# Altium PCB PCB_15122020_01BC.PcbDoc (part 8 of 9)
Units mm, origin at the board's own origin, x right, y up, seen from the top; angles counter-clockwise.
Board outline 207.9 x 131.1 mm, 4 copper layers (Top Layer, Layer 1, Layer 2, Bottom Layer), stack 1.57 mm thick; 684 components, 706 nets, 2796 pads, 1697 vias.
Unrouted connection lines stored in the file: 3.
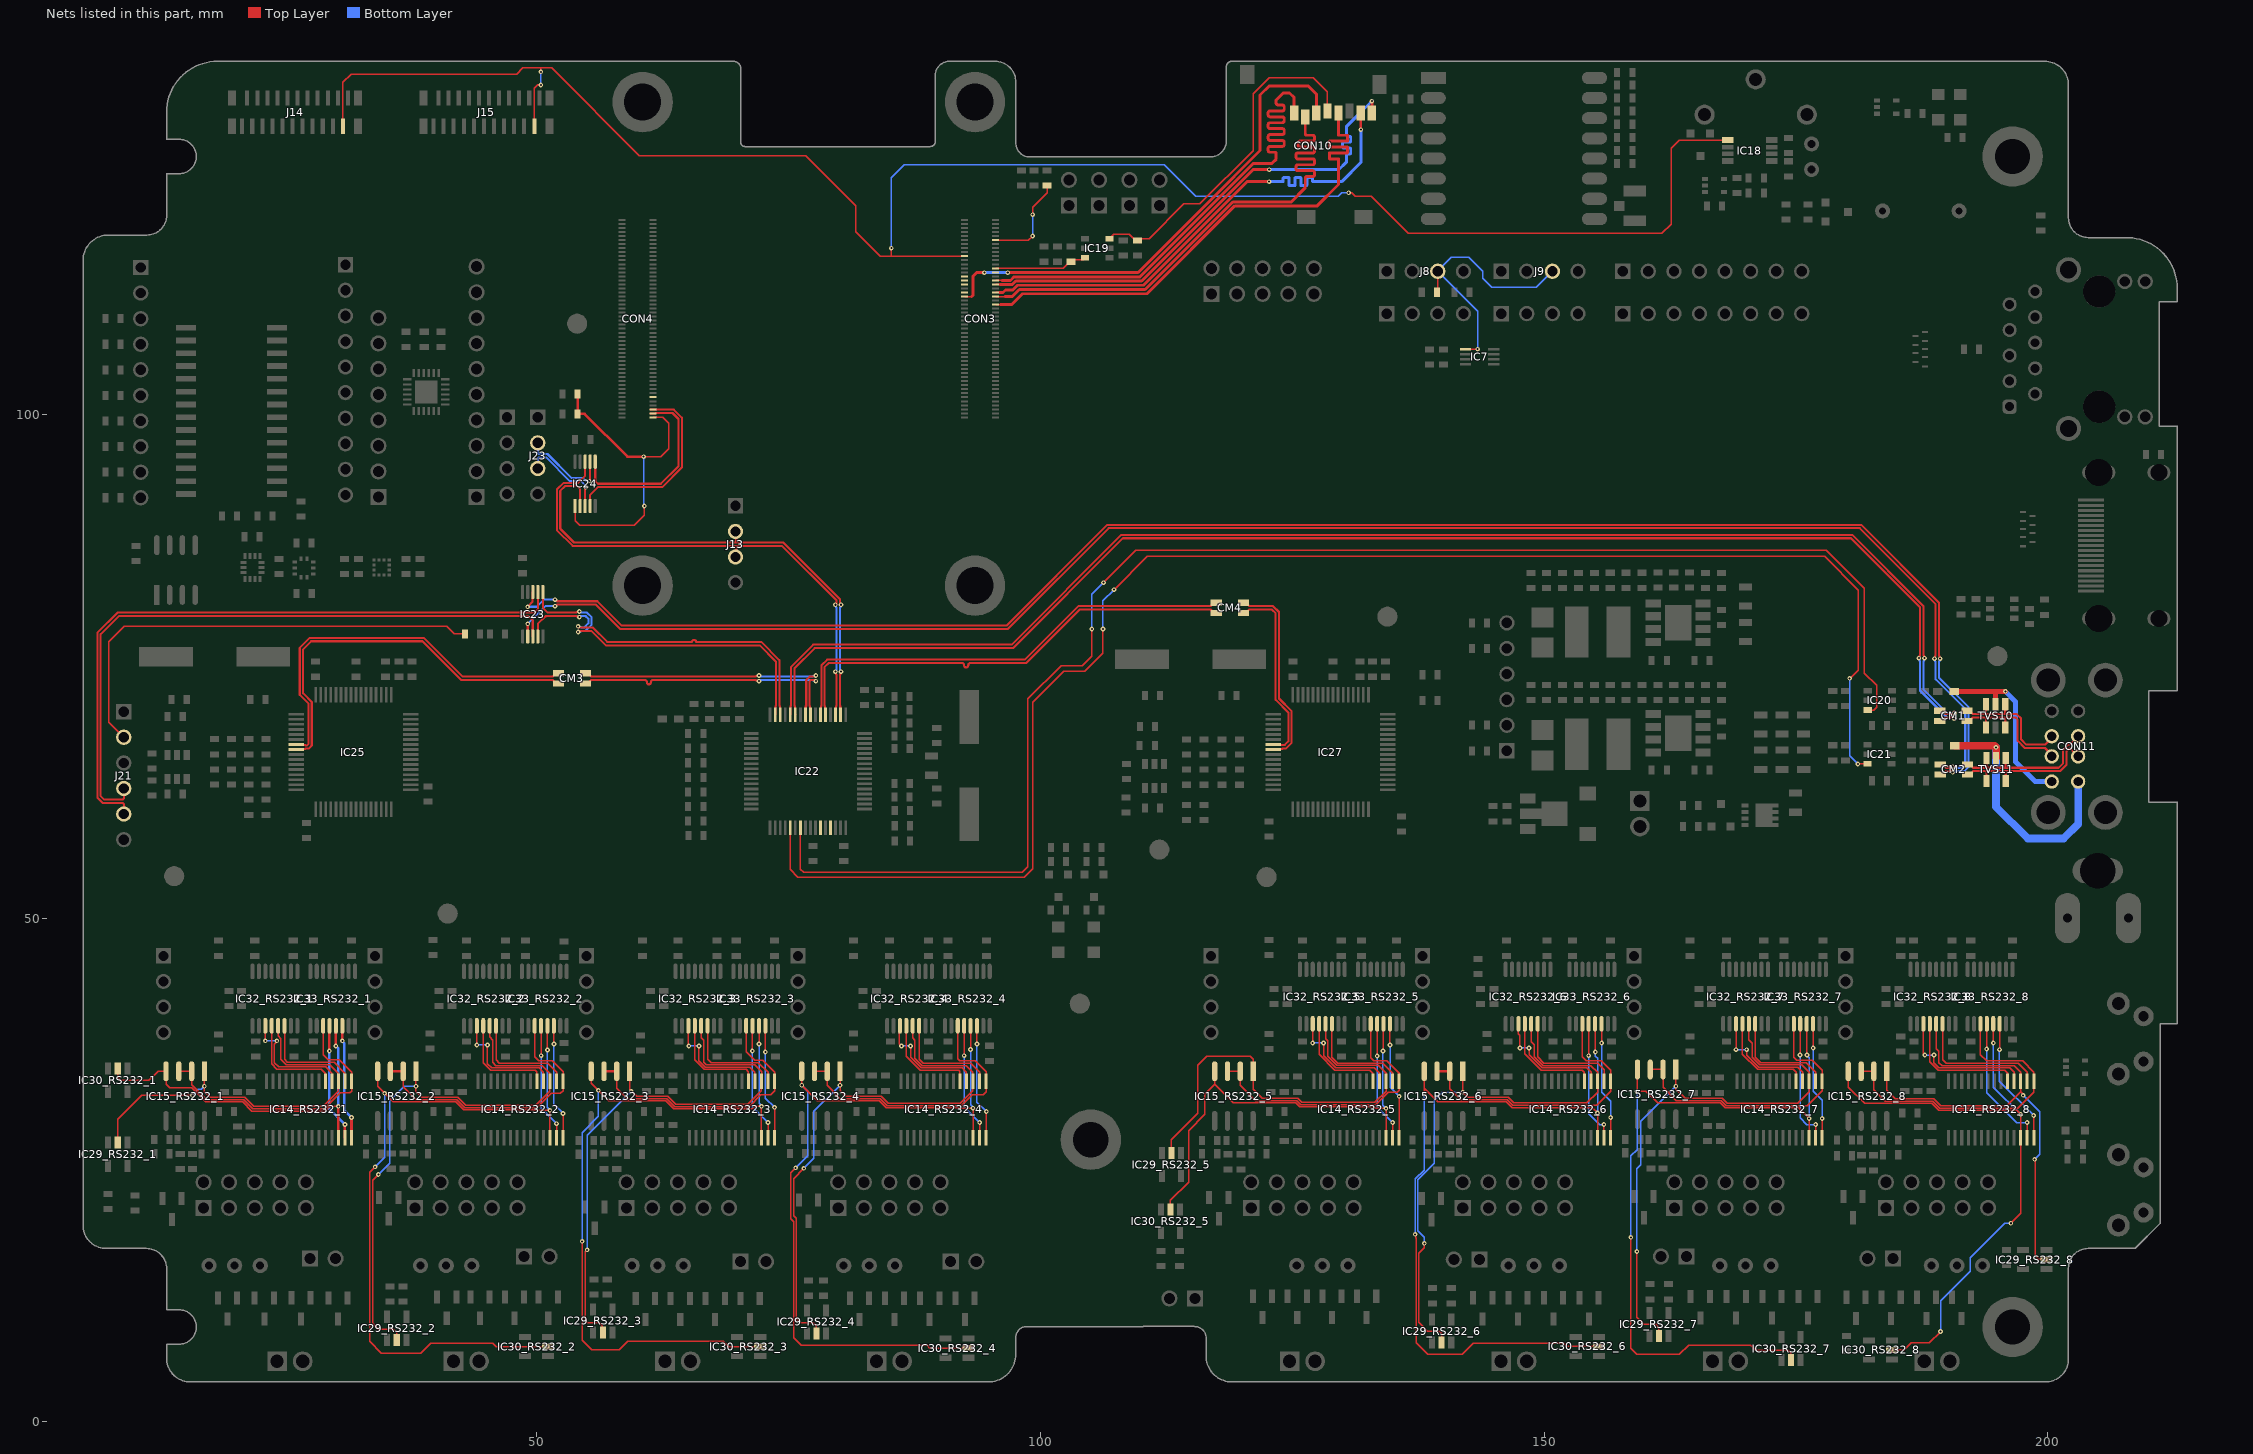
[diagram p10: the nets of this part, all layers, seen from the top]

## Via types
v1: diameter 0.46, hole 0.2, Top Layer to Bottom Layer, tented both sides, 1697 vias

## Nets (pads, with @x,y where several pads share a name; then routed paths per layer and width w, separated by ;. In a path a pad name is that pad's centre, name@x,y a point inside that pad or via, vN(x,y) a via of type N, cw(c..) or ccw(c..) an arc to the next point about the centre after c; other vN are vias at no path point) (continued)
SD_CLK: CON3.57 CON10.5 | length 53.1
  Top Layer w0.127: CON3.57@95.54,110.9 96.025,110.9
  Top Layer w0.293: 96.025,110.9 97.15,110.9 98.225,111.975 110.57,111.975 119.295,120.7 127.475,120.7 129.585,122.81 129.585,124.9 129.585,125.334 ccw(c129.556,125.334) 129.556,125.363 128.714,125.363 cw(c128.714,125.392) 128.685,125.392 128.685,125.92 cw(c128.714,125.92) 128.714,125.949 129.585,125.949 130.456,125.949 ccw(c130.456,125.978) 130.485,125.978 130.485,126.506 ccw(c130.456,126.506) 130.456,126.535 129.585,126.535 128.714,126.535 cw(c128.714,126.564) 128.685,126.564 128.685,127.092 cw(c128.714,127.092) 128.714,127.121 129.585,127.121 130.456,127.121 ccw(c130.456,127.15) 130.485,127.15 130.485,127.678 ccw(c130.456,127.678) 130.456,127.707 129.614,127.707 cw(c129.614,127.736) 129.585,127.736 129.585,128 CON10.5@129.585,129.904
SD_CMD: CON3.62 CON10.3 | length 50.1
  Top Layer w0.127: CON3.62@92.46,111.7 93.173,111.7
  Top Layer w0.293: 93.173,111.7 93.285,111.812 93.285,113.685 93.675,114.075 v1(94.425,114.075) ; v1(96.75,114.075) 109.7,114.075 116.7,121.075 116.7,121.082 121.8,126.182 121.8,131.7 122.7,132.6 126.585,132.6 127.385,131.8 CON10.3@127.385,129.904
  Bottom Layer w0.293: v1(94.425,114.075) v1(96.75,114.075)
SD_DAT0: CON3.63 CON10.7 | length 50.2
  Top Layer w0.127: CON3.63@95.54,112.1 95.925,112.1
  Top Layer w0.293: 95.925,112.1 96.281,112.1 96.523,112.342 97.254,112.342 97.728,112.815 110.222,112.815 120.507,123.1 v1(122.7,123.1) ; CON10.7@131.785,129.904 131.794,129.895 131.794,128.271 v1(131.803,128.262)
  Bottom Layer w0.293: v1(122.7,123.1) 123.8,123.1 124.034,123.1 ccw(c124.034,123.159) 124.093,123.159 124.093,123.441 cw(c124.152,123.441) 124.152,123.5 124.62,123.5 cw(c124.62,123.441) 124.679,123.441 124.679,123.1 124.679,122.759 ccw(c124.738,122.759) 124.738,122.7 125.206,122.7 ccw(c125.206,122.759) 125.265,122.759 125.265,123.1 125.265,123.441 cw(c125.324,123.441) 125.324,123.5 125.792,123.5 cw(c125.792,123.441) 125.851,123.441 125.851,123.1 125.851,122.759 ccw(c125.91,122.759) 125.91,122.7 126.378,122.7 ccw(c126.378,122.759) 126.437,122.759 126.437,123.1 126.437,123.441 cw(c126.496,123.441) 126.496,123.5 126.964,123.5 cw(c126.964,123.441) 127.023,123.441 127.023,123.159 ccw(c127.082,123.159) 127.082,123.1 127.5,123.1 129.9,123.1 131.803,125.003 v1(131.803,128.262)
SD_DAT1: CON3.67 CON10.8 | length 50.2
  Top Layer w0.127: CON3.67@95.54,112.9 96.001,112.9
  Top Layer w0.293: 96.001,112.9 96.006,112.9 96.026,112.88 97.199,112.88 97.554,113.235 110.048,113.235 121.113,124.3 v1(122.71,124.3) ; CON10.8@132.885,129.904 132.893,129.911 132.893,131.093 v1(132.9,131.1)
  Bottom Layer w0.293: v1(122.71,124.3) 129.625,124.3 130.3,124.975 130.4,125.075 130.4,125.263 130.4,125.732 cw(c130.517,125.732) 130.517,125.849 130.683,125.849 ccw(c130.683,125.966) 130.8,125.966 130.8,126.318 ccw(c130.683,126.318) 130.683,126.435 130.4,126.435 130.117,126.435 cw(c130.117,126.552) 130,126.552 130,126.904 cw(c130.117,126.904) 130.117,127.021 130.4,127.021 130.683,127.021 ccw(c130.683,127.138) 130.8,127.138 130.8,127.49 ccw(c130.683,127.49) 130.683,127.607 130.517,127.607 cw(c130.517,127.724) 130.4,127.724 130.4,127.9 130.4,128.6 v1(132.9,131.1)
SD_DAT2: CON3.69 CON10.1 | length 53.8
  Top Layer w0.127: CON3.69@95.54,113.3 96.2,113.3
  Top Layer w0.293: 96.2,113.3 97.025,113.3 97.38,113.655 109.874,113.655 117.12,120.901 117.12,120.909 121.111,124.9 122.964,124.9 123.4,125.336 123.4,125.9 ccw(c123.281,125.9) 123.281,126.019 122.805,126.019 cw(c122.805,126.224) 122.6,126.224 122.6,126.4 cw(c122.805,126.4) 122.805,126.605 123.4,126.605 123.995,126.605 ccw(c123.995,126.81) 124.2,126.81 124.2,126.986 ccw(c123.995,126.986) 123.995,127.191 123.4,127.191 122.805,127.191 cw(c122.805,127.396) 122.6,127.396 122.6,127.572 cw(c122.805,127.572) 122.805,127.777 123.4,127.777 123.995,127.777 ccw(c123.995,127.982) 124.2,127.982 124.2,128.158 ccw(c123.995,128.158) 123.995,128.363 123.4,128.363 122.805,128.363 cw(c122.805,128.568) 122.6,128.568 122.6,128.744 cw(c122.805,128.744) 122.805,128.949 123.4,128.949 123.995,128.949 ccw(c123.995,129.154) 124.2,129.154 124.2,129.33 ccw(c123.995,129.33) 123.995,129.535 123.4,129.535 122.805,129.535 cw(c122.805,129.74) 122.6,129.74 122.6,129.916 cw(c122.805,129.916) 122.805,130.121 123.4,130.121 123.995,130.121 ccw(c123.995,130.326) 124.2,130.326 124.2,130.502 ccw(c123.995,130.502) 123.995,130.707 123.605,130.707 cw(c123.605,130.912) 123.4,130.912 123.4,131 123.4,131.2 124.1,131.9 124.73,131.9 125.185,131.445 CON10.1@125.185,129.904
SD_DAT3: CON3.61 CON10.2 | length 53.4
  Top Layer w0.127: CON3.61@95.54,111.7 96.475,111.7
  Top Layer w0.293: 96.475,111.7 97.207,111.7 97.902,112.395 110.396,112.395 119.095,121.095 124.895,121.095 126.285,122.485 126.285,123.3 126.285,123.459 cw(c126.431,123.459) 126.431,123.605 127.038,123.605 ccw(c127.038,123.752) 127.185,123.752 127.185,124.045 ccw(c127.038,124.045) 127.038,124.191 126.285,124.191 125.531,124.191 cw(c125.531,124.338) 125.385,124.338 125.385,124.631 cw(c125.531,124.631) 125.531,124.777 126.285,124.777 127.038,124.777 ccw(c127.038,124.924) 127.185,124.924 127.185,125.217 ccw(c127.038,125.217) 127.038,125.363 126.285,125.363 125.531,125.363 cw(c125.531,125.51) 125.385,125.51 125.385,125.803 cw(c125.531,125.803) 125.531,125.949 126.285,125.949 127.038,125.949 ccw(c127.038,126.096) 127.185,126.096 127.185,126.389 ccw(c127.038,126.389) 127.038,126.535 126.285,126.535 125.726,126.535 cw(c125.726,126.682) 125.579,126.682 125.579,126.975 cw(c125.726,126.975) 125.726,127.121 126.285,127.121 127.038,127.121 ccw(c127.038,127.268) 127.185,127.268 127.185,127.561 ccw(c127.038,127.561) 127.038,127.707 126.431,127.707 cw(c126.431,127.854) 126.285,127.854 126.285,128 CON10.2@126.285,129.504
SD_DAT4: CON3.68
SD_DAT5: CON3.64
SD_DAT6: CON3.72
SD_DAT7: CON3.70
SD_PWR: C36.1 CON10.4 IC19.6 | length 34.9
  Top Layer w0.127: IC19.6@106.838,117.449 107.289,117.9 108.814,117.9 109.264,117.449 C36.1@109.6,117.449 ; C36.1@109.85,117.014 C36.1@109.613,117.25 109.613,117.436 C36.1@109.6,117.449 ; CON10.4@128.485,130.104 128.485,132.015 127.1,133.4 122.7,133.4 121.115,131.815 121.115,126.187 115.817,120.889 114.212,120.889 110.773,117.449 C36.1@109.6,117.449
SD_PWR_ON: CON3.75 IC19.3 R79.1 | length 9.3
  Top Layer w0.127: CON3.75@95.54,114.5 102.238,114.5 102.888,115.15 R79.1@103.038,115.15 103.226,115.338 104.227,115.338 IC19.3@104.438,115.549
SD_VDD_Override: CON3.73
SDA0: CON3.82 IC18.5 J14.21 J15.21 | length 185.4
  Top Layer w0.127: J14.21@30.75,128.05 J14.21@30.75,128.6 30.75,132.95 31.579,133.779 48,133.779 48.621,134.4 50.4,134.4 ; J15.21@49.75,128.6 49.75,132.375 50.075,132.7 v1(50.4,132.7) ; v1(50.4,134) 50.4,134.4 ; v1(85.2,116.499) 85.2,115.7 ; CON3.82@92.46,115.7 85.2,115.7 ; v1(130.6,122) 130.9,122 131.229,121.671 132.821,121.671 136.531,117.962 161.698,117.962 162.629,118.893 162.629,126.429 163.421,127.221 IC18.5@168.225,127.221 ; 50.4,134.4 51.466,134.4 60.191,125.675 76.708,125.675 81.669,120.715 81.669,118.134 84.102,115.7 85.2,115.7
  Bottom Layer w0.127: v1(50.4,132.7) v1(50.4,134) ; v1(85.2,116.499) 85.2,123.505 86.495,124.8 112.3,124.8 115.429,121.671 129.561,121.671 129.89,122 v1(130.6,122)
SDA_+5V: IC7.5 J8.3 J9.3 R12.2 | length 27
  Top Layer w0.127: R12.2@139.35,112.12 139.445,112.215 J8.3@139.445,114.2 ; IC7.5@142.195,106.475 v1(143.4,106.475)
  Bottom Layer w0.127: v1(143.4,106.475) 143.4,110.245 J8.3@139.445,114.2 139.445,114.245 140.8,115.6 142.5,115.6 143.9,114.2 143.9,113.5 144.8,112.6 149.22,112.6 J9.3@150.82,114.2
SEL_USB_EX: J21.2 R94.2 | length 46.4
  Top Layer w0.127: J21.2@9,67.94 7.5,69.44 7.5,77.421 9.029,78.95 41.05,78.95 41.8,78.2 R94.2@42.85,78.2
TTL_CTS_RS232_1: IC14_RS232_1.16 IC32_RS232_1.6 | length 10.7
  Top Layer w0.127: IC32_RS232_1.6@24.953,39.3 24.953,35.965 25.232,35.686 29.869,35.686 30.955,34.6 IC14_RS232_1.16@30.955,33.8
TTL_CTS_RS232_2: IC14_RS232_2.16 IC32_RS232_2.6 | length 10.8
  Top Layer w0.127: IC32_RS232_2.6@45.952,39.3 45.952,35.922 46.288,35.586 51.069,35.586 51.955,34.7 IC14_RS232_2.16@51.955,33.8
TTL_CTS_RS232_3: IC14_RS232_3.16 IC32_RS232_3.6 | length 10.7
  Top Layer w0.127: IC32_RS232_3.6@66.953,39.3 66.953,35.998 67.3,35.651 72.004,35.651 72.955,34.7 IC14_RS232_3.16@72.955,33.8
TTL_CTS_RS232_4: IC14_RS232_4.16 IC32_RS232_4.6 | length 10.8
  Top Layer w0.127: IC32_RS232_4.6@87.953,39.3 87.953,35.972 88.339,35.586 93.069,35.586 93.955,34.7 IC14_RS232_4.16@93.955,33.8
TTL_CTS_RS232_5: IC14_RS232_5.16 IC32_RS232_5.6 | length 10.8
  Top Layer w0.127: IC32_RS232_5.6@128.932,39.5 128.932,36.158 129.5,35.591 133.964,35.591 134.955,34.6 IC14_RS232_5.16@134.955,33.8
TTL_CTS_RS232_6: IC14_RS232_6.16 IC32_RS232_6.6 | length 11.6
  Top Layer w0.127: IC32_RS232_6.6@149.353,39.5 149.353,36.217 149.984,35.586 155.314,35.586 155.955,34.945 IC14_RS232_6.16@155.955,33.8
TTL_CTS_RS232_7: IC14_RS232_7.16 IC32_RS232_7.6 | length 10.8
  Top Layer w0.127: IC32_RS232_7.6@170.953,39.5 170.953,36.183 171.485,35.651 176.004,35.651 176.955,34.7 IC14_RS232_7.16@176.955,33.8
TTL_CTS_RS232_8: IC14_RS232_8.16 IC32_RS232_8.6 | length 13.4
  Top Layer w0.127: IC32_RS232_8.6@189.553,39.5 189.553,35.947 189.919,35.581 197.074,35.581 197.955,34.7 IC14_RS232_8.16@197.955,33.8
TTL_DCD_RS232_1: IC14_RS232_1.18 IC32_RS232_1.3 | length 11.9
  Top Layer w0.127: v1(23.048,37.8) IC32_RS232_1.3@23.048,39.3 ; v1(24.2,37.8) 24.2,37.725 23.943,37.469 23.943,35.642 24.357,35.229 29.026,35.229 29.655,34.6 IC14_RS232_1.18@29.655,33.8
  Bottom Layer w0.127: v1(23.048,37.8) v1(24.2,37.8)
TTL_DCD_RS232_2: IC14_RS232_2.18 IC32_RS232_2.3 | length 11.6
  Top Layer w0.127: v1(44.047,37.4) IC32_RS232_2.3@44.047,39.3 ; v1(45.1,37.4) 45.1,35.547 45.518,35.129 50.226,35.129 50.655,34.7 IC14_RS232_2.18@50.655,33.8
  Bottom Layer w0.127: v1(44.047,37.4) v1(45.1,37.4)
TTL_DCD_RS232_3: IC14_RS232_3.18 IC32_RS232_3.3 | length 11.4
  Top Layer w0.127: IC32_RS232_3.3@65.048,39.3 65.048,37.352 v1(65.1,37.3) ; v1(66.1,37.3) 66.1,35.823 66.73,35.194 71.161,35.194 71.655,34.7 IC14_RS232_3.18@71.655,33.8
  Bottom Layer w0.127: v1(65.1,37.3) v1(66.1,37.3)
TTL_DCD_RS232_4: IC14_RS232_4.18 IC32_RS232_4.3 | length 11.2
  Top Layer w0.127: IC32_RS232_4.3@86.048,39.3 86,39.252 86,37.5 v1(86.2,37.3) ; v1(87.1,37.3) 87.1,36.178 88.15,35.129 92.226,35.129 92.655,34.7 IC14_RS232_4.18@92.655,33.8
  Bottom Layer w0.127: v1(86.2,37.3) v1(87.1,37.3)
TTL_DCD_RS232_5: IC14_RS232_5.18 IC32_RS232_5.3 | length 11.3
  Top Layer w0.127: v1(127.027,37.6) IC32_RS232_5.3@127.027,39.5 ; v1(128.1,37.6) 128.1,36.344 129.311,35.134 133.121,35.134 133.655,34.6 IC14_RS232_5.18@133.655,33.8
  Bottom Layer w0.127: v1(127.027,37.6) v1(128.1,37.6)
TTL_DCD_RS232_6: IC14_RS232_6.18 IC32_RS232_6.3 | length 11.8
  Top Layer w0.127: IC32_RS232_6.3@147.448,39.5 147.448,38.535 147.6,38.382 v1(147.6,37.1) ; v1(148.5,37.1) 148.5,36.424 149.795,35.129 154.226,35.129 154.655,34.7 IC14_RS232_6.18@154.655,33.8
  Bottom Layer w0.127: v1(147.6,37.1) v1(148.5,37.1)
TTL_DCD_RS232_7: IC14_RS232_7.18 IC32_RS232_7.3 | length 11.3
  Top Layer w0.127: v1(169.048,36.935) IC32_RS232_7.3@169.048,39.5 ; v1(170.1,36.935) 170.1,36.389 171.296,35.194 175.161,35.194 175.655,34.7 IC14_RS232_7.18@175.655,33.8
  Bottom Layer w0.127: v1(169.048,36.935) v1(170.1,36.935)
TTL_DCD_RS232_8: IC14_RS232_8.18 IC32_RS232_8.3 | length 14.1
  Top Layer w0.127: IC32_RS232_8.3@187.648,39.5 187.648,36.552 v1(187.8,36.4) ; v1(188.7,36.4) 188.7,35.619 189.195,35.124 196.231,35.124 196.655,34.7 IC14_RS232_8.18@196.655,33.8
  Bottom Layer w0.127: v1(187.8,36.4) v1(188.7,36.4)
TTL_DSR_RS232_1: IC14_RS232_1.19 IC32_RS232_1.4 | length 10.3
  Top Layer w0.127: IC32_RS232_1.4@23.683,39.3 23.683,35.518 24.201,35 28.6,35 29,34.6 29,33.805 IC14_RS232_1.19@29.005,33.8
TTL_DSR_RS232_2: IC14_RS232_2.19 IC32_RS232_2.4 | length 10.3
  Top Layer w0.127: IC32_RS232_2.4@44.682,39.3 44.682,35.641 45.423,34.9 49.85,34.9 50.005,34.745 IC14_RS232_2.19@50.005,33.8
TTL_DSR_RS232_3: IC14_RS232_3.19 IC32_RS232_3.4 | length 10.1
  Top Layer w0.127: IC32_RS232_3.4@65.683,39.3 65.683,35.917 66.635,34.965 70.78,34.965 71,34.745 71,33.805 IC14_RS232_3.19@71.005,33.8
TTL_DSR_RS232_4: IC14_RS232_4.19 IC32_RS232_4.4 | length 10
  Top Layer w0.127: IC32_RS232_4.4@86.683,39.3 86.683,36.272 88.055,34.9 91.9,34.9 92.005,34.795 IC14_RS232_4.19@92.005,33.8
TTL_DSR_RS232_5: IC14_RS232_5.19 IC32_RS232_5.4 | length 10
  Top Layer w0.127: IC32_RS232_5.4@127.662,39.5 127.662,36.459 129.216,34.905 132.7,34.905 133.005,34.6 IC14_RS232_5.19@133.005,33.8
TTL_DSR_RS232_6: IC14_RS232_6.19 IC32_RS232_6.4 | length 10.6
  Top Layer w0.127: IC32_RS232_6.4@148.083,39.5 148.083,36.517 149.7,34.9 153.805,34.9 154.005,34.7 IC14_RS232_6.19@154.005,33.8
TTL_DSR_RS232_7: IC14_RS232_7.19 IC32_RS232_7.4 | length 10
  Top Layer w0.127: IC32_RS232_7.4@169.683,39.5 169.683,36.484 171.201,34.965 174.74,34.965 175.005,34.7 IC14_RS232_7.19@175.005,33.8
TTL_DSR_RS232_8: IC14_RS232_8.19 IC32_RS232_8.4 | length 12.8
  Top Layer w0.127: IC32_RS232_8.4@188.283,39.5 188.283,35.713 189.1,34.895 195.71,34.895 196.005,34.6 IC14_RS232_8.19@196.005,33.8
TTL_DTR_RS232_1: IC14_RS232_1.13 IC33_RS232_1.12 | length 11.7
  Top Layer w0.254: v1(29.411,36.8) 29.411,39.289 IC33_RS232_1.12@29.422,39.3 ; IC14_RS232_1.13@30.955,28.2 v1(30.955,29.5)
  Bottom Layer w0.254: v1(29.411,36.8) 29.411,31.044 v1(30.955,29.5)
TTL_DTR_RS232_2: IC14_RS232_2.13 IC33_RS232_2.12 | length 11.7
  Top Layer w0.127: v1(50.423,36.343) IC33_RS232_2.12@50.423,39.3 ; IC14_RS232_2.13@51.955,28.2 v1(51.955,29.582)
  Bottom Layer w0.127: v1(50.423,36.343) 50.423,31.114 v1(51.955,29.582)
TTL_DTR_RS232_3: IC14_RS232_3.13 IC33_RS232_3.12 | length 11.8
  Top Layer w0.127: v1(71.4,36.8) 71.4,39.278 IC33_RS232_3.12@71.422,39.3 ; IC14_RS232_3.13@72.955,28.2 v1(72.955,29.7)
  Bottom Layer w0.127: v1(71.4,36.8) 71.4,31.255 v1(72.955,29.7)
TTL_DTR_RS232_4: IC14_RS232_4.13 IC33_RS232_4.12 | length 11.7
  Top Layer w0.127: v1(92.422,36.343) IC33_RS232_4.12@92.422,39.3 ; IC14_RS232_4.13@93.955,28.2 v1(93.955,29.7)
  Bottom Layer w0.127: v1(92.422,36.343) 92.422,31.233 v1(93.955,29.7)
TTL_DTR_RS232_5: IC14_RS232_5.13 IC33_RS232_5.12 | length 11.9
  Top Layer w0.127: v1(133.422,36.3) IC33_RS232_5.12@133.422,39.5 ; IC14_RS232_5.13@134.955,28.2 v1(134.955,29.7)
  Bottom Layer w0.127: v1(133.422,36.3) 133.422,31.233 v1(134.955,29.7)
TTL_DTR_RS232_6: IC14_RS232_6.13 IC33_RS232_6.12 | length 12.2
  Top Layer w0.127: v1(154.411,36.343) 154.411,39.489 IC33_RS232_6.12@154.423,39.5 ; v1(155.928,29.5) 155.928,28.228 IC14_RS232_6.13@155.955,28.2
  Bottom Layer w0.127: v1(154.411,36.343) 154.411,30.589 155.5,29.5 v1(155.928,29.5)
TTL_DTR_RS232_7: IC14_RS232_7.13 IC33_RS232_7.12 | length 12.5
  Top Layer w0.127: v1(175.4,36.4) 175.411,36.411 175.411,39.489 IC33_RS232_7.12@175.422,39.5 ; IC14_RS232_7.13@176.955,28.2 v1(176.955,29.5)
  Bottom Layer w0.127: v1(175.4,36.4) 175.4,30.186 176.086,29.5 v1(176.955,29.5)
TTL_DTR_RS232_8: IC14_RS232_8.13 IC33_RS232_8.12 | length 13.6
  Top Layer w0.127: v1(193.925,37) 193.936,37.011 193.936,39.489 IC33_RS232_8.12@193.948,39.5 ; IC14_RS232_8.13@197.955,28.2 v1(197.955,29.7)
  Bottom Layer w0.127: v1(193.925,37) 193.925,32.675 196.9,29.7 v1(197.955,29.7)
TTL_RI_RS232_1: IC14_RS232_1.15 IC15_RS232_1.2 IC15_RS232_1.3 IC33_RS232_1.11 | length 28.5
  Top Layer w0.127: IC15_RS232_1.3@14.465,34.79 IC15_RS232_1.2@15.735,34.79 15.735,33.467 17.231,31.971 20.905,31.971 21.808,31.069 28.887,31.069 30.468,32.65 31.45,32.65 31.605,32.805 IC14_RS232_1.15@31.605,33.8 31.605,34.7 30.391,35.914 29.3,35.914 28.787,36.427 IC33_RS232_1.11@28.787,39.3
TTL_RI_RS232_2: IC14_RS232_2.15 IC15_RS232_2.2 IC15_RS232_2.3 IC33_RS232_2.11 | length 28.6
  Top Layer w0.127: IC15_RS232_2.2@36.735,34.79 36.735,33.265 38.029,31.971 42.055,31.971 42.855,31.171 49.995,31.171 51.423,32.6 52.35,32.6 52.6,32.85 52.6,34.745 51.531,35.814 50.2,35.814 49.788,36.227 IC33_RS232_2.11@49.788,39.3
  Top Layer w0.254: IC15_RS232_2.3@35.465,34.79 IC15_RS232_2.2@36.735,34.79
TTL_RI_RS232_3: IC14_RS232_3.15 IC15_RS232_3.2 IC15_RS232_3.3 IC33_RS232_3.11 | length 28.1
  Top Layer w0.127: IC15_RS232_3.2@57.935,34.79 57.935,33.115 58.979,32.071 62.905,32.071 63.705,31.271 71.071,31.271 72.255,32.455 73.21,32.455 73.6,32.845 73.6,34.7 72.421,35.879 71.621,35.879 70.787,36.713 IC33_RS232_3.11@70.787,39.3
  Top Layer w0.254: IC15_RS232_3.3@56.665,34.79 IC15_RS232_3.2@57.935,34.79
TTL_RI_RS232_4: IC14_RS232_4.15 IC15_RS232_4.2 IC15_RS232_4.3 IC33_RS232_4.11 | length 28.5
  Top Layer w0.127: IC15_RS232_4.3@77.565,34.79 IC15_RS232_4.2@78.835,34.79 78.835,33.38 80.144,32.071 84.105,32.071 84.805,31.371 92.145,31.371 93.228,32.455 94.327,32.455 94.605,32.732 IC14_RS232_4.15@94.605,33.8 94.593,33.812 94.593,34.745 93.523,35.814 92,35.814 91.787,36.027 IC33_RS232_4.11@91.787,39.3
TTL_RI_RS232_5: IC14_RS232_5.15 IC15_RS232_5.2 IC15_RS232_5.3 IC33_RS232_5.11 | length 28.3
  Top Layer w0.127: IC15_RS232_5.3@118.565,34.79 IC15_RS232_5.2@119.835,34.79 119.835,33.4 121.364,31.871 125.439,31.871 125.839,31.471 133.282,31.471 134.511,32.7 135.4,32.7 135.6,32.9 135.6,34.6 134.381,35.819 133.074,35.819 132.787,36.106 IC33_RS232_5.11@132.787,39.5
TTL_RI_RS232_6: IC14_RS232_6.15 IC15_RS232_6.2 IC15_RS232_6.3 IC33_RS232_6.11 | length 29
  Top Layer w0.127: IC15_RS232_6.2@140.635,34.79 140.635,33.065 141.729,31.971 146.348,31.971 146.905,31.414 155.219,31.414 156.605,32.8 IC14_RS232_6.15@156.605,33.8 156.605,34.895 155.686,35.814 154.2,35.814 153.788,36.227 153.788,37 ; 153.776,36.988 153.788,37 ; IC33_RS232_6.11@153.788,39.5 153.788,37
  Top Layer w0.254: IC15_RS232_6.3@139.365,34.79 IC15_RS232_6.2@140.635,34.79
TTL_RI_RS232_7: IC14_RS232_7.15 IC15_RS232_7.2 IC15_RS232_7.3 IC33_RS232_7.11 | length 28.9
  Top Layer w0.127: IC15_RS232_7.3@160.533,34.965 IC15_RS232_7.2@161.803,34.965 161.803,33.197 163.131,31.869 167.594,31.869 168.091,31.371 176.124,31.371 177.603,32.85 177.603,33.797 IC14_RS232_7.15@177.605,33.8 177.605,34.895 176.621,35.879 175.1,35.879 174.787,36.192 IC33_RS232_7.11@174.787,39.5
TTL_RI_RS232_8: IC14_RS232_8.15 IC15_RS232_8.2 IC15_RS232_8.3 IC33_RS232_8.11 | length 31.4